# Allegro board 8880F5-0824_updates.brd (continued)
## Routing (per net, layer and track width the routed paths; a pad name or vN(x,y) marks a point on that pad's centre or on a via; arc(x,y) is an arc through that point) (continued)
S4_SCAN_DCH026: length 5.3
  TOP w0.231: SITE4.69 338.44,185.63 v1(337.44,184.63)
S4_SCAN_DCH031: length 3.7
  TOP w0.231: SITE4.149 322.23,186.83 v1(322.83,187.43)
S4_SCAN_DCH032: length 5.3
  TOP w0.231: SITE4.150 323.22,186.43 v1(324.22,187.43)
S4_SCAN_DCH033: length 2.2
  TOP w0.231: SITE4.151 317.43,186.03 v1(317.23,186.23)
S4_SCAN_DCH034: length 3.7
  TOP w0.231: SITE4.152 316.43,185.63 v1(315.83,186.23)
S4_SPI_1_CSN:
  vias: v1(474.99,187.35)
S4_SPI_1_SCK:
  vias: v1(480.07,175.15)
S4_SPI_1_SDI:
  vias: v1(456.19,173.74)
S4_SPI_1_SDO:
  vias: v1(455.94,166.12)
S4_SPI_2_CSN:
  vias: v1(475.87,173.79)
S4_SPI_2_SCK:
  vias: v1(479.97,161.55)
S4_SPI_2_SDI:
  vias: v1(451.62,173.74)
S4_SPI_2_SDO:
  vias: v1(451.87,166.12)
S4_SPI_11_SDI:
  vias: v1(457.19,173.74) v1(477.53,187.35)
S4_SPI_11_SDO:
  vias: v1(456.94,166.12) v1(482.61,175.15)
S4_SPI_22_SDI:
  vias: v1(452.62,173.74) v1(477.43,173.74)
S4_SPI_22_SDO:
  vias: v1(452.87,166.12) v1(482.51,161.55)
S4_SPI_CSN: length 25.9
  TOP w0.231: SITE4.43 339.03,171.23 v1(339.23,171.03)
  BOTTOM w0.231: v1(339.23,171.03) 338.4,171.03 335.17,174.25 333.57,174.25 332.91,173.59 332.91,161.11 332.25,160.44 330.61,160.44 330.11,159.95
S4_SPI_SCK: length 25.3
  TOP w0.231: v1(338.83,175.23) 338.63,175.03 SITE4.42
  BOTTOM w0.231: 335.03,158.48 335.03,168.39 335.92,169.27 337.17,169.27 337.9,168.54 339.96,168.54 340.53,169.11 340.53,172.28 338.83,173.98 v1(338.83,175.23)
S4_SPI_SDI: length 3.7
  TOP w0.231: v1(338.83,176.63) 339.43,176.03 SITE4.44
S4_SPI_SDO: length 37
  TOP w0.231: SITE4.41 338.23,176.03 v1(337.63,176.63)
  BOTTOM w0.231: 344.72,150.32 344.72,173.4 342.29,175.83 342.29,177.04 341.5,177.83 338.83,177.83 v1(337.63,176.63)
S4_XTAL_IN: length 28.3
  TOP w0.231: SITE4.109 331.43,198.03 v1(331.63,198.23)
  BOTTOM w0.231: 314.98,215.24 318.94,211.27 318.94,207.1 327.82,198.23 v1(331.63,198.23)
S4_XTAL_OUT: length 26.8
  TOP w0.231: v1(331.63,199.63) 331.03,199.03 SITE4.110
  BOTTOM w0.231: 318.8,216.35 320.8,214.36 320.8,212.93 322.59,211.15 322.59,206.87 329.83,199.63 v1(331.63,199.63)
UDBGND:
  vias: v1(117.69,130.81) v1(118.49,128.27) v1(128.57,149.86) v1(128.57,146.05) v1(128.57,138.43) v1(128.57,134.62) v1(130.51,142.24) v1(224.37,298.45) v1(225.17,295.91) v1(452.68,137.92) v1(452.68,134.11) v1(452.68,130.3) v1(454.61,145.54) v1(454.61,141.73) v1(473.29,130.81) v1(474.09,128.27) v1(484.87,130.71) v1(485.12,128.27) v1(512.11,238.76) v1(512.11,234.95) v1(512.11,231.14) v1(512.11,227.33) v1(548.37,300.89) v1(548.62,298.45) v1(557.36,300.99) v1(558.16,298.45)
UT1_UP5V:
  vias: v1(115.19,128.27) v1(115.99,130.81) v1(175.7,264.1) v1(175.7,250.38) v1(175.7,236.67) v1(175.7,222.95) v1(175.7,209.49) v1(175.7,195.52) v1(175.7,182.06) v1(175.7,168.6) v1(175.7,154.88) v1(175.7,141.67) v1(192.47,264.1) v1(192.47,250.38) v1(192.47,236.67) v1(192.47,222.95) v1(192.47,209.49) v1(192.47,195.52) v1(192.47,182.06) v1(192.47,168.6) v1(192.47,154.88) v1(208.98,264.1) v1(209.23,250.38) v1(209.23,236.67) v1(209.23,222.95) v1(209.23,209.49) v1(209.23,195.52) v1(209.49,182.06) v1(209.49,168.6) v1(209.49,155.13) v1(221.87,295.91) v1(222.67,298.45) v1(232.25,271.67) v1(244.8,288.61) v1(250.5,296.86) v1(256.73,132.14) v1(263.71,296.86) v1(269.94,135.19) v1(273.24,272.1) v1(277.17,296.86) v1(282.9,147.38) v1(290.64,296.86) v1(293.31,272.1) v1(303.84,296.86) v1(304.61,152.34) v1(304.61,139.64) v1(312.25,271.67) v1(317.05,296.86) v1(318.32,139.64) v1(330.51,296.86) v1(343.98,296.86) v1(354.27,138.37) v1(369.38,265.11) v1(369.38,249.11) v1(369.38,232.6) v1(369.63,297.12) v1(369.63,281.11) v1(375.22,188.15) v1(375.22,171.39) v1(376.23,217.11) v1(383.09,297.12) v1(383.09,281.11) v1(383.09,265.11) v1(383.09,249.11) v1(383.09,232.85) v1(383.73,202.38) v1(384.36,139.89) v1(388.43,188.15) v1(388.43,171.64) v1(388.43,154.88) v1(389.7,217.36) v1(396.55,297.12) v1(396.55,281.11) v1(396.55,265.37) v1(396.55,249.11) v1(396.55,233.11) v1(397.57,139.89) v1(400.24,202.38) v1(401.89,188.15) v1(401.89,171.64) v1(402.14,154.88) v1(403.41,217.61) v1(410.27,265.37) v1(410.52,297.12) v1(410.52,281.37) v1(410.52,249.11) v1(410.78,139.89) v1(415.1,171.64) v1(415.6,154.88) v1(423.61,188.92) v1(470.79,128.27) v1(471.59,130.81) v1(482.62,128.27) v1(483.17,130.71) v1(546.12,298.45) v1(546.67,300.89) v1(554.86,298.45) v1(555.66,300.99)
N26125600: length 3
  BOTTOM w0.119: K25.3 210.81,258.7 211.29,259.17 R55.2
N26125602: length 3
  BOTTOM w0.119: K25.4 210.81,256.5 211.29,256.03 R56.1
N26125604: length 3
  BOTTOM w0.119: K25.6 199.14,258.7 198.67,259.17 R57.2
N26125606: length 3
  BOTTOM w0.119: R58.1 198.67,256.03 199.14,256.5 K25.5
N26125622: length 3
  BOTTOM w0.119: K26.3 194.3,244.98 194.78,245.46 R59.2
N26125624: length 3
  BOTTOM w0.119: K26.4 194.3,242.78 194.78,242.31 R60.1
N26125626: length 3
  BOTTOM w0.119: K26.6 182.63,244.98 182.16,245.46 R61.2
N26125628: length 3
  BOTTOM w0.119: K26.5 182.63,242.78 182.16,242.31 R62.1
N26125644: length 3
  BOTTOM w0.119: R66.1 165.4,242.31 165.87,242.78 K27.5
N26125646: length 3
  BOTTOM w0.119: K27.6 165.87,244.98 165.4,245.46 R65.2
N26125685: length 3
  BOTTOM w0.119: K22.6 199.4,244.98 198.92,245.46 R45.2
N26125687: length 3
  BOTTOM w0.119: R46.1 198.92,242.31 199.4,242.78 K22.5
N26125689: length 3
  BOTTOM w0.119: K23.3 194.3,231.27 194.78,231.74 R47.2
N26125691: length 3
  BOTTOM w0.119: R48.1 194.78,228.6 194.3,229.07 K23.4
N26125693: length 3
  BOTTOM w0.119: K23.6 182.63,231.27 182.16,231.74 R49.2
N26125695: length 3
  BOTTOM w0.119: R50.1 182.16,228.6 182.63,229.07 K23.5
N26125711: length 3
  BOTTOM w0.119: R51.2 178.01,231.74 177.54,231.27 K24.3
N26125713: length 3
  BOTTOM w0.119: R52.1 178.01,228.6 177.54,229.07 K24.4
N26125715: length 3
  BOTTOM w0.119: R53.2 165.4,231.74 165.87,231.27 K24.6
N26125717: length 3
  BOTTOM w0.119: K24.5 165.87,229.07 165.4,228.6 R54.1
N26125746: length 3
  BOTTOM w0.119: K22.3 211.07,244.98 211.54,245.46 R102.2
N26125748: length 3
  BOTTOM w0.119: K22.4 211.07,242.78 211.54,242.31 R103.1
N26125750: length 3
  BOTTOM w0.119: R104.2 178.01,245.46 177.54,244.98 K27.3
N26125752: length 3
  BOTTOM w0.119: R105.1 178.01,242.31 177.54,242.78 K27.4
N26323523: length 3
  BOTTOM w0.119: R71.2 255.43,299.17 255.9,298.7 K17.3
N26323525: length 3
  BOTTOM w0.119: R72.1 258.58,299.17 258.1,298.7 K17.4
N26323527: length 3
  BOTTOM w0.119: K17.5 258.1,287.03 258.58,286.55 R74.1
N26323529: length 3
  BOTTOM w0.119: R73.2 255.43,286.55 255.9,287.03 K17.6
N26323531: length 3
  BOTTOM w0.119: K21.3 282.57,298.7 282.1,299.17 R75.2
N26323533: length 3
  BOTTOM w0.119: R76.1 285.25,299.17 284.77,298.7 K21.4
N26323535: length 3
  BOTTOM w0.119: K21.5 284.77,287.03 285.25,286.55 R78.1
N26323537: length 3
  BOTTOM w0.119: K21.6 282.57,287.03 282.1,286.55 R77.2
N26323539: length 3
  BOTTOM w0.119: K29.3 177.54,258.7 178.01,259.17 R79.2
N26323541: length 3
  BOTTOM w0.119: K29.4 177.54,256.5 178.01,256.03 R80.1
N26323543: length 3
  BOTTOM w0.119: R43.2 165.4,259.17 165.87,258.7 K29.6
N26323545: length 3
  BOTTOM w0.119: K29.5 165.87,256.5 165.4,256.03 R44.1
N26323547: length 3
  BOTTOM w0.119: R63.2 194.78,259.17 194.3,258.7 K30.3
N26323549: length 3
  BOTTOM w0.119: K30.4 194.3,256.5 194.78,256.03 R64.1
N26323551: length 3
  BOTTOM w0.119: K30.5 182.63,256.5 182.16,256.03 R101.1
N26323553: length 3
  BOTTOM w0.119: K30.6 182.63,258.7 182.16,259.17 R100.2
N26325241: length 3
  BOTTOM w0.119: K16.3 239.4,286.77 239.87,286.3 R67.2
N26325243: length 3
  BOTTOM w0.119: K16.4 237.2,286.77 236.72,286.3 R68.1
N26325245: length 3
  BOTTOM w0.119: R70.1 236.72,298.92 237.2,298.44 K16.5
N26325247: length 3
  BOTTOM w0.119: R69.2 239.87,298.92 239.4,298.44 K16.6
N26326910: length 3
  BOTTOM w0.119: R30.1 338.59,286.55 338.11,287.03 K6.5
N26326941: length 3
  BOTTOM w0.119: R27.2 335.44,299.17 335.91,298.7 K6.3
N26326943: length 3
  BOTTOM w0.119: K6.4 338.11,298.7 338.59,299.17 R28.1
N26326945: length 3
  BOTTOM w0.119: R29.2 335.44,286.55 335.91,287.03 K6.6
N26326947: length 3
  BOTTOM w0.119: R34.1 325.12,286.55 324.65,287.03 K7.5
N26326959: length 3
  BOTTOM w0.119: K7.3 322.45,298.7 321.98,299.17 R31.2
N26326961: length 3
  BOTTOM w0.119: R32.1 325.12,299.17 324.65,298.7 K7.4
N26326963: length 3
  BOTTOM w0.119: R33.2 321.98,286.55 322.45,287.03 K7.6
N26327095: length 3
  BOTTOM w0.119: R39.2 288.38,269.79 287.91,270.26 K11.3
N26327097: length 3
  BOTTOM w0.119: R40.1 285.24,269.79 285.71,270.26 K11.4
N26327099: length 3
  BOTTOM w0.119: R38.1 271.78,286.55 271.31,287.03 K8.5
N26327103: length 3
  BOTTOM w0.119: K8.6 269.11,287.03 268.64,286.55 R37.2
N26327105: length 3
  BOTTOM w0.119: R41.2 288.38,282.41 287.91,281.93 K11.6
N26327107: length 3
  BOTTOM w0.119: R42.1 285.24,282.41 285.71,281.93 K11.5
N26328546: length 3
  BOTTOM w0.119: R26.1 352.05,286.55 351.58,287.03 K5.5
N26328550: length 3
  BOTTOM w0.119: K5.3 349.38,298.7 348.9,299.17 R23.2
N26328552: length 3
  BOTTOM w0.119: K5.4 351.58,298.7 352.05,299.17 R24.1
N26328554: length 3
  BOTTOM w0.119: R25.2 348.9,286.55 349.38,287.03 K5.6
N26330264: length 3
  BOTTOM w0.119: K3.5 298.24,287.03 298.71,286.55 R18.1
N26330266: length 3
  BOTTOM w0.119: R17.2 295.56,286.55 296.04,287.03 K3.6
N26330268: length 3
  BOTTOM w0.119: R16.1 298.71,299.17 298.24,298.7 K3.4
N26330270: length 3
  BOTTOM w0.119: R15.2 295.56,299.17 296.04,298.7 K3.3
N26330276: length 3
  BOTTOM w0.119: K1.5 165.87,215.35 165.4,214.88 R10.1
N26330278: length 3
  BOTTOM w0.119: K1.6 165.87,217.55 165.4,218.02 R9.2
N26330280: length 3
  BOTTOM w0.119: R8.1 178.01,214.88 177.54,215.35 K1.4
N26330282: length 3
  BOTTOM w0.119: K1.3 177.54,217.55 178.01,218.02 R7.2
N26330286: length 3
  BOTTOM w0.119: R11.2 211.54,231.74 211.07,231.27 K2.3
N26330288: length 3
  BOTTOM w0.119: K2.4 211.07,229.07 211.54,228.6 R12.1
N26330290: length 3
  BOTTOM w0.119: R22.1 311.92,286.55 311.44,287.03 K4.5
N26330294: length 3
  BOTTOM w0.119: R19.2 308.77,299.17 309.24,298.7 K4.3
N26330296: length 3
  BOTTOM w0.119: R20.1 311.92,299.17 311.44,298.7 K4.4
N26330298: length 3
  BOTTOM w0.119: K4.6 309.24,287.03 308.77,286.55 R21.2
N26330300: length 3
  BOTTOM w0.119: K2.5 199.4,229.07 198.92,228.6 R14.1
N26330302: length 3
  BOTTOM w0.119: R13.2 198.92,231.74 199.4,231.27 K2.6
N26336828:
  vias: v1(222.38,273.82) v1(222.38,272.66) v1(224.65,271.67)
N26336832:
  vias: v1(222.38,275.98) v1(222.38,274.82) v1(224.65,276.97)
N26336834:
  vias: v1(221.21,276.98) v1(222.38,276.98)
N26336836:
  vias: v1(221.21,271.66) v1(222.38,271.66)
N26486525: length 3
  BOTTOM w0.119: UNK2K25.3 401.95,234.94 401.48,235.42 UNK2R55.2
N26486526: length 3
  BOTTOM w0.119: UNK2K25.4 404.15,234.94 404.63,235.42 UNK2R56.1
N26486527: length 3
  BOTTOM w0.119: UNK2K25.6 401.95,223.27 401.48,222.8 UNK2R57.2
N26486528: length 3
  BOTTOM w0.119: UNK2R58.1 404.63,222.8 404.15,223.27 UNK2K25.5
N26486530: length 3
  BOTTOM w0.119: UNK2R59.2 394.62,219.67 395.1,219.2 UNK2K26.3
N26486531: length 3
  BOTTOM w0.119: UNK2R60.1 397.77,219.67 397.3,219.2 UNK2K26.4
N26486532: length 3
  BOTTOM w0.119: UNK2R61.2 394.62,207.05 395.1,207.52 UNK2K26.6
N26486533: length 3
  BOTTOM w0.119: UNK2R62.1 397.77,207.05 397.3,207.52 UNK2K26.5
N26486535: length 3
  BOTTOM w0.119: UNK2K27.5 383.83,207.27 384.31,206.8 UNK2R66.1
N26486536: length 3
  BOTTOM w0.119: UNK2R65.2 381.16,206.8 381.63,207.27 UNK2K27.6
N26486543: length 3
  BOTTOM w0.119: UNK2K22.6 374.78,222.76 374.3,222.29 UNK2R45.2
N26486544: length 3
  BOTTOM w0.119: UNK2K22.5 376.98,222.76 377.45,222.29 UNK2R46.1
N26486545: length 3
  BOTTOM w0.119: UNK2K23.3 388.49,234.69 388.02,235.16 UNK2R47.2
N26486546: length 3
  BOTTOM w0.119: UNK2K23.4 390.69,234.69 391.16,235.16 UNK2R48.1
N26486547: length 3
  BOTTOM w0.119: UNK2R49.2 388.02,222.55 388.49,223.02 UNK2K23.6
N26486548: length 3
  BOTTOM w0.119: UNK2R50.1 391.16,222.55 390.69,223.02 UNK2K23.5
N26486550: length 3
  BOTTOM w0.119: UNK2R51.2 388.02,251.42 388.49,250.95 UNK2K24.3
N26486551: length 3
  BOTTOM w0.119: UNK2K24.4 390.69,250.95 391.16,251.42 UNK2R52.1
N26486552: length 3
  BOTTOM w0.119: UNK2R53.2 388.02,238.8 388.49,239.27 UNK2K24.6
N26486553: length 3
  BOTTOM w0.119: UNK2R54.1 391.16,238.8 390.69,239.27 UNK2K24.5
N26486568: length 3
  BOTTOM w0.119: UNK2K22.3 374.78,234.44 374.3,234.91 UNK2R102.2
N26486569: length 3
  BOTTOM w0.119: UNK2R103.1 377.45,234.91 376.98,234.44 UNK2K22.4
N26486570: length 3
  BOTTOM w0.119: UNK2R104.2 381.16,219.41 381.63,218.94 UNK2K27.3
N26486571: length 3
  BOTTOM w0.119: UNK2R105.1 384.31,219.41 383.83,218.94 UNK2K27.4
N26486686:
  vias: v1(465.57,235.71)
N26486691:
  vias: v1(468.62,235.71)
N26486726:
  vias: v1(374.56,299.91) v1(375.03,297.12)
N26486727:
  vias: v1(377.23,297.12) v1(377.7,299.91)
N26486728:
  vias: v1(377.23,289.12) v1(377.7,286.32)
N26486729:
  vias: v1(374.56,286.32) v1(375.03,289.12)
N26486730:
  vias: v1(401.48,299.91) v1(401.95,297.12)
N26486731:
  vias: v1(404.15,297.12) v1(404.63,299.91)
N26486732:
  vias: v1(404.15,289.12) v1(404.63,286.32)
N26486733:
  vias: v1(401.48,286.32) v1(401.95,289.12)
N26486734: length 3
  BOTTOM w0.119: UNK2K29.3 374.78,250.95 374.3,251.42 UNK2R79.2
N26486735: length 3
  BOTTOM w0.119: UNK2K29.4 376.98,250.95 377.45,251.42 UNK2R80.1
N26486736: length 3
  BOTTOM w0.119: UNK2K29.6 374.78,239.27 374.3,238.8 UNK2R43.2
N26486737: length 3
  BOTTOM w0.119: UNK2R44.1 377.45,238.8 376.98,239.27 UNK2K29.5
N26486738: length 3
  BOTTOM w0.119: UNK2R63.2 415.45,251.42 415.92,250.95 UNK2K30.3
N26486739: length 3
  BOTTOM w0.119: UNK2R64.1 418.6,251.42 418.12,250.95 UNK2K30.4
N26486740: length 3
  BOTTOM w0.119: UNK2K30.5 418.12,239.27 418.6,238.8 UNK2R101.1
N26486741: length 3
  BOTTOM w0.119: UNK2K30.6 415.92,239.27 415.45,238.8 UNK2R100.2
N26486822:
  vias: v1(374.3,267.91) v1(374.78,265.11)
N26486823:
  vias: v1(376.98,265.11) v1(377.45,267.91)
N26486824:
  vias: v1(376.98,257.11) v1(377.45,254.32)
N26486825:
  vias: v1(374.3,254.32) v1(374.78,257.11)
N26486847:
  vias: v1(404.15,273.11) v1(404.63,270.32)
N26486849:
  vias: v1(401.48,283.91) v1(401.95,281.11)
N26486850:
  vias: v1(404.15,281.11) v1(404.63,283.91)
N26486851:
  vias: v1(401.48,270.32) v1(401.95,273.11)
N26486852:
  vias: v1(390.69,273.11) v1(391.16,270.32)
N26486854:
  vias: v1(388.02,283.91) v1(388.49,281.11)
N26486855:
  vias: v1(390.69,281.11) v1(391.16,283.91)
N26486856:
  vias: v1(388.02,270.32) v1(388.49,273.11)
N26486898:
  vias: v1(415.2,268.16)
N26486899:
  vias: v1(418.34,268.16)
N26486900:
  vias: v1(390.69,289.12) v1(391.16,286.32)
N26486902:
  vias: v1(388.02,286.32) v1(388.49,289.12)
N26486903:
  vias: v1(415.2,254.57) v1(415.67,257.37)
N26486904:
  vias: v1(417.87,257.37) v1(418.34,254.57)
N26486946:
  vias: v1(404.15,257.37) v1(404.63,254.57)
N26486948:
  vias: v1(401.48,268.16) v1(401.95,265.37)
N26486949:
  vias: v1(404.15,265.37) v1(404.63,268.16)
N26486950:
  vias: v1(401.48,254.57) v1(401.95,257.37)
N26486971: length 3
  BOTTOM w0.119: UNK2R18.1 404.63,238.8 404.15,239.27 UNK2K3.5
N26486972: length 3
  BOTTOM w0.119: UNK2R17.2 401.48,238.8 401.95,239.27 UNK2K3.6
N26486973: length 3
  BOTTOM w0.119: UNK2K3.4 404.15,250.95 404.63,251.42 UNK2R16.1
N26486974: length 3
  BOTTOM w0.119: UNK2K3.3 401.95,250.95 401.48,251.42 UNK2R15.2
N26486977: length 3
  BOTTOM w0.119: UNK2K1.5 418.12,287.28 418.6,286.81 UNK2R10.1
N26486978: length 3
  BOTTOM w0.119: UNK2R9.2 415.45,286.81 415.92,287.28 UNK2K1.6
N26486979: length 3
  BOTTOM w0.119: UNK2K1.4 418.12,298.95 418.6,299.42 UNK2R8.1
N26486980: length 3
  BOTTOM w0.119: UNK2K1.3 415.92,298.95 415.45,299.42 UNK2R7.2
N26486982:
  vias: v1(415.45,284.16)
N26486983:
  vias: v1(418.6,284.16)
N26486984:
  vias: v1(377.23,273.11) v1(377.7,270.32)
N26486986:
  vias: v1(374.56,283.91) v1(375.03,281.11)
N26486987:
  vias: v1(377.23,281.11) v1(377.7,283.91)
N26486988:
  vias: v1(374.56,270.32) v1(375.03,273.11)
N26486989: length 3
  BOTTOM w0.119: UNK2K2.5 418.12,271.48 418.6,271.01 UNK2R14.1
N26486990: length 3
  BOTTOM w0.119: UNK2R13.2 415.45,270.98 415.92,271.45 UNK2K2.6
N26487182:
  vias: v1(456.25,233.88)
N26487183:
  vias: v1(451.68,233.88)
N26487190:
  vias: v1(302.38,273.82) v1(302.38,272.66) v1(304.65,271.67)
N26487192:
  vias: v1(302.38,275.98) v1(302.38,274.82) v1(304.65,276.97)
N26487193:
  vias: v1(301.21,276.98) v1(302.38,276.98)
N26487194:
  vias: v1(301.21,271.66) v1(302.38,271.66)
N26487223:
  vias: v1(451.62,232.41)
N26487224:
  vias: v1(451.62,224.79)
N26487285:
  vias: v1(483.1,233.68)
N26487289:
  vias: v1(483.1,241.3)
N26491412:
  vias: v1(491.1,226.67)
N26491416:
  vias: v1(490.86,212.91)
N26491418:
  vias: v1(485.8,212.91)
N26491425:
  vias: v1(477.53,218.59)
N26491459:
  vias: v1(477.43,204.98)
N26491497:
  vias: v1(485.8,226.62)
N26495382: length 3
  BOTTOM w0.119: UNK3K25.3 211.32,163.2 211.79,163.67 UNK3R55.2
N26495383: length 3
  BOTTOM w0.119: UNK3K25.4 211.32,161 211.79,160.52 UNK3R56.1
N26495384: length 3
  BOTTOM w0.119: UNK3K25.6 199.65,163.2 199.18,163.67 UNK3R57.2
N26495385: length 3
  BOTTOM w0.119: UNK3R58.1 199.18,160.52 199.65,161 UNK3K25.5
N26495387: length 3
  BOTTOM w0.119: UNK3K26.3 194.3,163.2 194.78,163.67 UNK3R59.2
N26495388: length 3
  BOTTOM w0.119: UNK3K26.4 194.3,161 194.78,160.52 UNK3R60.1
N26495389: length 3
  BOTTOM w0.119: UNK3K26.6 182.63,163.2 182.16,163.67 UNK3R61.2
N26495390: length 3
  BOTTOM w0.119: UNK3K26.5 182.63,161 182.16,160.52 UNK3R62.1
N26495392: length 3
  BOTTOM w0.119: UNK3R66.1 199.18,173.99 199.65,174.46 UNK3K27.5
N26495393: length 3
  BOTTOM w0.119: UNK3R65.2 199.18,177.13 199.65,176.66 UNK3K27.6
N26495400: length 3
  BOTTOM w0.119: UNK3K22.6 199.65,149.73 199.18,150.21 UNK3R45.2
N26495401: length 3
  BOTTOM w0.119: UNK3K22.5 199.65,147.53 199.18,147.06 UNK3R46.1
N26495402: length 3
  BOTTOM w0.119: UNK3K23.3 177.54,136.27 178.01,136.74 UNK3R47.2
N26495403: length 3
  BOTTOM w0.119: UNK3R48.1 178.01,133.6 177.54,134.07 UNK3K23.4
N26495404: length 3
  BOTTOM w0.119: UNK3K23.6 165.87,136.27 165.4,136.74 UNK3R49.2
N26495405: length 3
  BOTTOM w0.119: UNK3K23.5 165.87,134.07 165.4,133.6 UNK3R50.1
N26495407: length 3
  BOTTOM w0.119: UNK3R51.2 194.78,149.95 194.3,149.48 UNK3K24.3
N26495408: length 3
  BOTTOM w0.119: UNK3R52.1 194.78,146.81 194.3,147.28 UNK3K24.4
N26495409: length 3
  BOTTOM w0.119: UNK3K24.6 182.63,149.48 182.16,149.95 UNK3R53.2
N26495410: length 3
  BOTTOM w0.119: UNK3R54.1 182.16,146.81 182.63,147.28 UNK3K24.5
N26495425: length 3
  BOTTOM w0.119: UNK3R102.2 211.79,150.21 211.32,149.73 UNK3K22.3
N26495426: length 3
  BOTTOM w0.119: UNK3K22.4 211.32,147.53 211.79,147.06 UNK3R103.1
N26495427: length 3
  BOTTOM w0.119: UNK3K27.3 211.32,176.66 211.79,177.13 UNK3R104.2
N26495428: length 3
  BOTTOM w0.119: UNK3R105.1 211.79,173.99 211.32,174.46 UNK3K27.4
N26495583: length 3
  BOTTOM w0.119: UNK3R71.2 178.01,190.59 177.54,190.12 UNK3K17.3
N26495584: length 3
  BOTTOM w0.119: UNK3K17.4 177.54,187.92 178.01,187.45 UNK3R72.1
N26495585: length 3
  BOTTOM w0.119: UNK3K17.5 165.87,187.92 165.4,187.45 UNK3R74.1
N26495586: length 3
  BOTTOM w0.119: UNK3K17.6 165.87,190.12 165.4,190.59 UNK3R73.2
N26495587: length 3
  BOTTOM w0.119: UNK3R75.2 211.54,190.59 211.07,190.12 UNK3K21.3
N26495588: length 3
  BOTTOM w0.119: UNK3K21.4 211.07,187.92 211.54,187.45 UNK3R76.1
N26495589: length 3
  BOTTOM w0.119: UNK3K21.5 199.4,187.92 198.92,187.45 UNK3R78.1
N26495590: length 3
  BOTTOM w0.119: UNK3K21.6 199.4,190.12 198.92,190.59 UNK3R77.2
N26495591: length 3
  BOTTOM w0.119: UNK3K29.3 177.54,163.2 178.01,163.67 UNK3R79.2
N26495592: length 3
  BOTTOM w0.119: UNK3R80.1 178.01,160.52 177.54,161 UNK3K29.4
N26495593: length 3
  BOTTOM w0.119: UNK3K29.6 165.87,163.2 165.4,163.67 UNK3R43.2
N26495594: length 3
  BOTTOM w0.119: UNK3K29.5 165.87,161 165.4,160.52 UNK3R44.1
N26495595: length 3
  BOTTOM w0.119: UNK3K30.3 177.54,149.48 178.01,149.95 UNK3R63.2
N26495596: length 3
  BOTTOM w0.119: UNK3K30.4 177.54,147.28 178.01,146.81 UNK3R64.1
N26495597: length 3
  BOTTOM w0.119: UNK3K30.5 165.87,147.28 165.4,146.81 UNK3R101.1
N26495598: length 3
  BOTTOM w0.119: UNK3R100.2 165.4,149.95 165.87,149.48 UNK3K30.6
N26495679: length 3
  BOTTOM w0.119: UNK3R67.2 211.54,204.56 211.07,204.09 UNK3K16.3
N26495680: length 3
  BOTTOM w0.119: UNK3K16.4 211.07,201.89 211.54,201.42 UNK3R68.1
N26495681: length 3
  BOTTOM w0.119: UNK3K16.5 199.4,201.89 198.92,201.42 UNK3R70.1
N26495682: length 3
  BOTTOM w0.119: UNK3K16.6 199.4,204.09 198.92,204.56 UNK3R69.2
N26495704: length 3
  BOTTOM w0.119: UNK3K6.5 199.4,215.35 198.92,214.88 UNK3R30.1
N26495706: length 3
  BOTTOM w0.119: UNK3K6.3 211.07,217.55 211.54,218.02 UNK3R27.2
N26495707: length 3
  BOTTOM w0.119: UNK3R28.1 211.54,214.88 211.07,215.35 UNK3K6.4
N26495708: length 3
  BOTTOM w0.119: UNK3R29.2 198.92,218.02 199.4,217.55 UNK3K6.6
N26495709: length 3
  BOTTOM w0.119: UNK3R34.1 182.16,201.42 182.63,201.89 UNK3K7.5
N26495711: length 3
  BOTTOM w0.119: UNK3R31.2 194.78,204.56 194.3,204.09 UNK3K7.3
N26495712: length 3
  BOTTOM w0.119: UNK3R32.1 194.78,201.42 194.3,201.89 UNK3K7.4
N26495713: length 3
  BOTTOM w0.119: UNK3K7.6 182.63,204.09 182.16,204.56 UNK3R33.2
N26495755: length 3
  BOTTOM w0.119: UNK3R39.2 178.01,204.56 177.54,204.09 UNK3K11.3
N26495756: length 3
  BOTTOM w0.119: UNK3K11.4 177.54,201.89 178.01,201.42 UNK3R40.1
N26495757: length 3
  BOTTOM w0.119: UNK3K8.5 182.63,187.92 182.16,187.45 UNK3R38.1
N26495759: length 3
  BOTTOM w0.119: UNK3K8.6 182.63,190.12 182.16,190.59 UNK3R37.2
N26495760: length 3
  BOTTOM w0.119: UNK3R41.2 165.4,204.56 165.87,204.09 UNK3K11.6
N26495761: length 3
  BOTTOM w0.119: UNK3R42.1 165.4,201.42 165.87,201.89 UNK3K11.5
N26495803: length 3
  BOTTOM w0.119: UNK3K5.5 182.63,215.35 182.16,214.88 UNK3R26.1
N26495805: length 3
  BOTTOM w0.119: UNK3R23.2 194.78,218.02 194.3,217.55 UNK3K5.3
N26495806: length 3
  BOTTOM w0.119: UNK3R24.1 194.78,214.88 194.3,215.35 UNK3K5.4
N26495807: length 3
  BOTTOM w0.119: UNK3R25.2 182.16,218.02 182.63,217.55 UNK3K5.6
N26495828: length 3
  BOTTOM w0.119: UNK3K3.5 262.34,145.03 261.87,145.5 UNK3R18.1
N26495829: length 3
  BOTTOM w0.119: UNK3K3.6 264.54,145.03 265.01,145.5 UNK3R17.2
N26495830: length 3
  BOTTOM w0.119: UNK3R16.1 261.87,132.88 262.34,133.36 UNK3K3.4
N26495831: length 3
  BOTTOM w0.119: UNK3R15.2 265.01,132.88 264.54,133.36 UNK3K3.3
N26495834: length 3
  BOTTOM w0.119: UNK3R10.1 274.82,157.69 275.3,157.22 UNK3K1.5
N26495835: length 3
  BOTTOM w0.119: UNK3R9.2 277.97,157.69 277.5,157.22 UNK3K1.6
N26495836: length 3
  BOTTOM w0.119: UNK3R8.1 274.82,145.08 275.3,145.55 UNK3K1.4
N26495837: length 3
  BOTTOM w0.119: UNK3R7.2 277.97,145.08 277.5,145.55 UNK3K1.3
N26495839: length 3
  BOTTOM w0.119: UNK3K2.3 251.33,130.31 251.81,129.84 UNK3R11.2
N26495840: length 3
  BOTTOM w0.119: UNK3K2.4 249.13,130.31 248.66,129.84 UNK3R12.1
N26495841: length 3
  BOTTOM w0.119: UNK3K4.5 165.93,174.46 165.46,173.99 UNK3R22.1
N26495843: length 3
  BOTTOM w0.119: UNK3K4.3 177.54,176.66 178.01,177.13 UNK3R19.2
N26495844:
  vias: v1(175.7,174.46) v1(178.5,173.99)
N26495845: length 3
  BOTTOM w0.119: UNK3K4.6 165.87,176.66 165.4,177.13 UNK3R21.2
N26495846: length 3
  BOTTOM w0.119: UNK3K2.5 249.13,141.98 248.66,142.45 UNK3R14.1
N26495847: length 3
  BOTTOM w0.119: UNK3R13.2 251.81,142.45 251.33,141.98 UNK3K2.6
N26504239: length 3
  BOTTOM w0.119: UNK4K25.3 393.83,189.99 393.35,190.46 UNK4R55.2
N26504240: length 3
  BOTTOM w0.119: UNK4K25.4 396.03,189.99 396.5,190.46 UNK4R56.1
N26504241: length 3
  BOTTOM w0.119: UNK4R57.2 393.35,177.84 393.83,178.31 UNK4K25.6
N26504242: length 3
  BOTTOM w0.119: UNK4R58.1 396.5,177.84 396.03,178.31 UNK4K25.5
N26504244: length 3
  BOTTOM w0.119: UNK4K26.3 407.29,189.99 406.82,190.46 UNK4R59.2
N26504245: length 3
  BOTTOM w0.119: UNK4K26.4 409.49,189.99 409.96,190.46 UNK4R60.1
N26504246: length 3
  BOTTOM w0.119: UNK4R61.2 406.82,177.84 407.29,178.31 UNK4K26.6
N26504247: length 3
  BOTTOM w0.119: UNK4R62.1 409.96,177.84 409.49,178.31 UNK4K26.5
N26504249: length 3
  BOTTOM w0.119: UNK4R66.1 383.29,161.08 382.82,161.55 UNK4K27.5
N26504250: length 3
  BOTTOM w0.119: UNK4K27.6 380.62,161.55 380.15,161.08 UNK4R65.2
N26504257: length 3
  BOTTOM w0.119: UNK4K22.6 373.89,196.98 373.42,197.45 UNK4R45.2
N26504258: length 3
  BOTTOM w0.119: UNK4K22.5 373.89,194.78 373.42,194.31 UNK4R46.1
N26504259: length 3
  BOTTOM w0.119: UNK4K23.3 402.08,196.98 402.55,197.45 UNK4R47.2
N26504260: length 3
  BOTTOM w0.119: UNK4K23.4 402.08,194.78 402.55,194.31 UNK4R48.1
N26504261: length 3
  BOTTOM w0.119: UNK4K23.6 390.4,196.98 389.93,197.45 UNK4R49.2
N26504262: length 3
  BOTTOM w0.119: UNK4R50.1 389.93,194.31 390.4,194.78 UNK4K23.5
N26504264: length 3
  BOTTOM w0.119: UNK4K24.3 356.1,132.97 356.57,133.44 UNK4R51.2
N26504265: length 3
  BOTTOM w0.119: UNK4R52.1 356.57,130.3 356.1,130.77 UNK4K24.4
N26504266: length 3
  BOTTOM w0.119: UNK4K24.6 344.43,132.97 343.96,133.44 UNK4R53.2
N26504267: length 3
  BOTTOM w0.119: UNK4K24.5 344.43,130.77 343.96,130.3 UNK4R54.1
N26504282: length 3
  BOTTOM w0.119: UNK4K22.3 385.57,196.98 386.04,197.45 UNK4R102.2
N26504283: length 3
  BOTTOM w0.119: UNK4K22.4 385.57,194.78 386.04,194.31 UNK4R103.1
N26504284: length 3
  BOTTOM w0.119: UNK4R104.2 380.15,173.69 380.62,173.22 UNK4K27.3
N26504285: length 3
  BOTTOM w0.119: UNK4K27.4 382.82,173.22 383.29,173.69 UNK4R105.1
N26504400:
  vias: v1(465.57,192.28)
N26504405:
  vias: v1(468.62,192.28)
N26504440: length 3
  BOTTOM w0.119: UNK4K17.3 416.18,141.73 415.71,142.2 UNK4R71.2
N26504441: length 3
  BOTTOM w0.119: UNK4R72.1 418.85,142.2 418.38,141.73 UNK4K17.4
N26504442: length 3
  BOTTOM w0.119: UNK4K17.5 418.38,130.05 418.85,129.58 UNK4R74.1
N26504443: length 3
  BOTTOM w0.119: UNK4K17.6 416.18,130.05 415.71,129.58 UNK4R73.2
N26504444: length 3
  BOTTOM w0.119: UNK4R75.2 389.29,142.2 389.76,141.73 UNK4K21.3
N26504445: length 3
  BOTTOM w0.119: UNK4K21.4 391.96,141.73 392.43,142.2 UNK4R76.1
N26504446: length 3
  BOTTOM w0.119: UNK4K21.5 391.96,130.05 392.43,129.58 UNK4R78.1
N26504447: length 3
  BOTTOM w0.119: UNK4R77.2 389.29,129.58 389.76,130.05 UNK4K21.6
N26504448: length 3
  BOTTOM w0.119: UNK4R79.2 406.82,173.95 407.29,173.48 UNK4K29.3
N26504449: length 3
  BOTTOM w0.119: UNK4R80.1 409.96,173.95 409.49,173.48 UNK4K29.4
N26504450: length 3
  BOTTOM w0.119: UNK4K29.6 407.29,161.8 406.82,161.33 UNK4R43.2
N26504451: length 3
  BOTTOM w0.119: UNK4K29.5 409.49,161.8 409.96,161.33 UNK4R44.1
N26504452: length 3
  BOTTOM w0.119: UNK4R63.2 309.53,154.64 310.01,154.17 UNK4K30.3
N26504453: length 3
  BOTTOM w0.119: UNK4R64.1 312.68,154.64 312.21,154.17 UNK4K30.4
N26504454: length 3
  BOTTOM w0.119: UNK4R101.1 312.68,142.03 312.21,142.5 UNK4K30.5
N26504455: length 3
  BOTTOM w0.119: UNK4R100.2 309.53,142.03 310.01,142.5 UNK4K30.6
N26504536: length 3
  BOTTOM w0.119: UNK4K16.3 393.83,173.48 393.35,173.95 UNK4R67.2
N26504537: length 3
  BOTTOM w0.119: UNK4R68.1 396.5,173.95 396.03,173.48 UNK4K16.4
N26504538: length 3
  BOTTOM w0.119: UNK4R70.1 396.5,161.33 396.03,161.8 UNK4K16.5
N26504539: length 3
  BOTTOM w0.119: UNK4R69.2 393.35,161.33 393.83,161.8 UNK4K16.6
N26504561: length 3
  BOTTOM w0.119: UNK4R30.1 396.5,144.57 396.03,145.04 UNK4K6.5
N26504563: length 3
  BOTTOM w0.119: UNK4R27.2 393.35,157.18 393.83,156.71 UNK4K6.3
N26504564: length 3
  BOTTOM w0.119: UNK4K6.4 396.03,156.71 396.5,157.18 UNK4R28.1
N26504565: length 3
  BOTTOM w0.119: UNK4K6.6 393.83,145.04 393.35,144.57 UNK4R29.2
N26504566: length 3
  BOTTOM w0.119: UNK4K7.5 413.77,181.32 413.3,180.84 UNK4R34.1
N26504568: length 3
  BOTTOM w0.119: UNK4R31.2 425.92,183.99 425.44,183.52 UNK4K7.3
N26504569: length 3
  BOTTOM w0.119: UNK4R32.1 425.92,180.84 425.44,181.32 UNK4K7.4
N26504570: length 3
  BOTTOM w0.119: UNK4K7.6 413.77,183.52 413.3,183.99 UNK4R33.2
N26504612: length 3
  BOTTOM w0.119: UNK4R39.2 380.15,190.46 380.62,189.99 UNK4K11.3
N26504613: length 3
  BOTTOM w0.119: UNK4K11.4 382.82,189.99 383.29,190.46 UNK4R40.1
N26504614: length 3
  BOTTOM w0.119: UNK4K8.5 405.17,130.05 405.64,129.58 UNK4R38.1
N26504616: length 3
  BOTTOM w0.119: UNK4R37.2 402.5,129.58 402.97,130.05 UNK4K8.6
N26504617: length 3
  BOTTOM w0.119: UNK4K11.6 380.62,178.31 380.15,177.84 UNK4R41.2
N26504618: length 3
  BOTTOM w0.119: UNK4R42.1 383.29,177.84 382.82,178.31 UNK4K11.5
N26504660: length 3
  BOTTOM w0.119: UNK4R26.1 423.68,144.57 423.2,145.04 UNK4K5.5
N26504662: length 3
  BOTTOM w0.119: UNK4K5.3 421,156.71 420.53,157.18 UNK4R23.2
N26504663: length 3
  BOTTOM w0.119: UNK4R24.1 423.68,157.18 423.2,156.71 UNK4K5.4
N26504664: length 3
  BOTTOM w0.119: UNK4K5.6 421,145.04 420.53,144.57 UNK4R25.2
N26504685: length 3
  BOTTOM w0.119: UNK4K3.5 325.92,129.8 326.39,129.33 UNK4R18.1
N26504686: length 3
  BOTTOM w0.119: UNK4K3.6 323.72,129.8 323.25,129.33 UNK4R17.2
N26504687: length 3
  BOTTOM w0.119: UNK4K3.4 325.92,141.47 326.39,141.94 UNK4R16.1
N26504688: length 3
  BOTTOM w0.119: UNK4R15.2 323.25,141.94 323.72,141.47 UNK4K3.3
N26504691: length 3
  BOTTOM w0.119: UNK4K1.5 422.7,161.8 423.17,161.33 UNK4R10.1
N26504692: length 3
  BOTTOM w0.119: UNK4K1.6 420.5,161.8 420.02,161.33 UNK4R9.2
N26504693: length 3
  BOTTOM w0.119: UNK4R8.1 423.17,173.95 422.7,173.48 UNK4K1.4
N26504694: length 3
  BOTTOM w0.119: UNK4R7.2 420.02,173.95 420.5,173.48 UNK4K1.3
N26504696: length 3
  BOTTOM w0.119: UNK4K2.3 407.54,156.71 407.07,157.18 UNK4R11.2
N26504697: length 3
  BOTTOM w0.119: UNK4K2.4 409.74,156.71 410.21,157.18 UNK4R12.1
N26504698: length 3
  BOTTOM w0.119: UNK4R22.1 411.48,207.31 411.01,207.78 UNK4K4.5
N26504700: length 3
  BOTTOM w0.119: UNK4K4.3 408.81,219.45 408.34,219.92 UNK4R19.2
N26504701: length 3
  BOTTOM w0.119: UNK4R20.1 411.48,219.92 411.01,219.45 UNK4K4.4
N26504702: length 3
  BOTTOM w0.119: UNK4K4.6 408.81,207.78 408.34,207.31 UNK4R21.2
N26504703: length 3
  BOTTOM w0.119: UNK4K2.5 409.74,145.04 410.21,144.57 UNK4R14.1
N26504704: length 3
  BOTTOM w0.119: UNK4K2.6 407.54,145.04 407.07,144.57 UNK4R13.2
N26504896:
  vias: v1(456.25,190.45)
N26504897:
  vias: v1(451.68,190.45)
N26504937:
  vias: v1(451.62,188.98)
N26504938:
  vias: v1(451.62,181.36)
N26504999:
  vias: v1(483.1,190.25)
N26505003:
  vias: v1(483.1,197.87)
N26509126:
  vias: v1(491.1,183.24)
N26509130:
  vias: v1(490.86,169.47)
N26509132:
  vias: v1(485.8,169.47)
N26509139:
  vias: v1(477.53,175.15)
N26509173:
  vias: v1(477.43,161.55)
N26509211:
  vias: v1(485.8,183.19)

## Copper pours and planes (outline as drawn; the poured copper is in the pictures)
GND on L03_SIGNAL, L05_SIGNAL, L07_SIGNAL, L28_SIGNAL, L30_SIGNAL: 1.27,1.27 1.27,427.99 205.8,427.99 217.17,422.33 228.54,427.99 353.12,427.99 364.49,422.33 375.86,427.99 580.39,427.99 580.39,1.27 302.2,1.27 290.83,6.93 279.46,1.27
(no net) on L32_SIGNAL: 1.27,1.27 1.27,427.99 205.8,427.99 217.17,422.33 228.54,427.99 353.12,427.99 364.49,422.33 375.86,427.99 580.39,427.99 580.39,1.27 302.2,1.27 290.83,6.93 279.46,1.27
Net_7 on L02_DGND: 8.32,299.68 8.32,129.45 568.71,129.45 568.71,299.68
Net_8 on L02_DGND: 310.83,204.63 310.83,164.63 350.83,164.63 350.83,204.63
Net_8 on L02_DGND: 230.83,264.63 230.83,224.63 270.83,224.63 270.83,264.63
Net_8 on L02_DGND: 230.83,204.63 230.83,164.63 270.83,164.63 270.83,204.63
Net_8 on L02_DGND: 310.83,264.63 310.83,224.63 350.83,224.63 350.83,264.63

## Text on the board
User.Comments: CR_SS_6 | CR_2_2 | CR_RELAY_19 | CR_4_2 | CR_3_1 | CR_2_3 | CR_UNNAMED_2 | CR_UNNAMED_3 | CR_QQ_28 | CR_A_23 | CR_5_1 | CR_5_2 | CR_QQ_12 | CR_QQ_11 | CR_A_28 | CR_A_21 | CR_A_25 | CR_A_26 | CR_A_30 | CR_A_32 | CR_A_22 | CR_A_24 | CR_A_27 | CR_A_29 | CR_A_31 | CR_A_20
